# KiCad board ButterStick.kicad_pcb (continued)
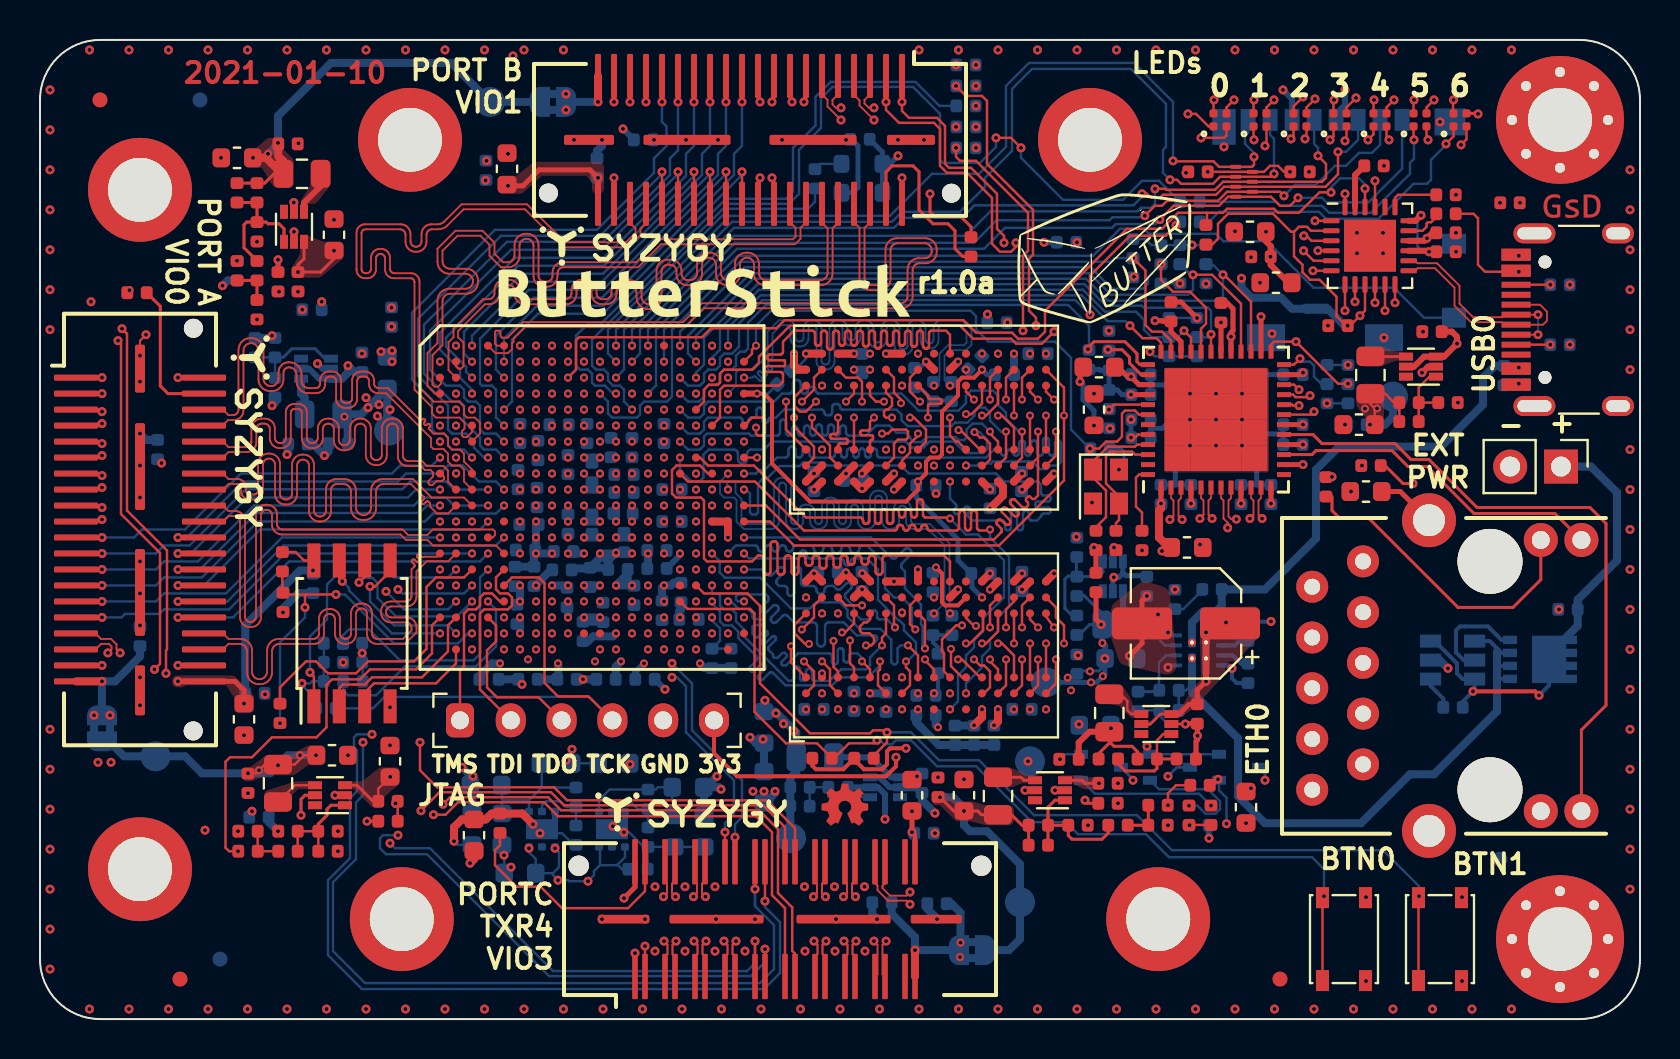
[diagram p0: board, top side]
## Routing (per net, layer and track width the routed paths; a pad name or vN(x,y) marks a point on that pad's centre or on a via; arc(x,y) is an arc through that point) (continued)
/FPGA-DDR3L/CK0_N: length 31.8
  Bottom w0.089: v2(45.5,31.7) 45.22,31.97 45.22,33.2 45.5,33.47 46.3,33.47 46.57,33.75 46.57,34.5 46.1,34.97 45.1,34.97 45,34.96 44.92,34.93 44.83,34.88 44.77,34.82 44.72,34.73 44.69,34.65 44.68,34.55 44.68,34.01 44.67,33.96 44.66,33.92 44.63,33.88 44.6,33.85 44.56,33.83 44.52,33.81 44.47,33.81 44.43,33.81 44.39,33.83 44.35,33.85 44.32,33.88 44.29,33.92 44.28,33.96 44.28,34.01 44.28,34.55 44.26,34.65 44.23,34.73 44.18,34.82 44.12,34.88 44.03,34.93 43.95,34.96 43.85,34.97 43.8,34.97 43.7,34.96 43.62,34.93 43.53,34.88 43.47,34.82 43.42,34.73 43.39,34.65 43.38,34.55 43.38,33.71 43.37,33.66 43.36,33.62 43.33,33.58 43.3,33.55 43.26,33.53 43.22,33.51 43.18,33.51 43.13,33.51 43.09,33.53 43.05,33.55 43.02,33.58 42.99,33.62 42.98,33.66 42.97,33.71 42.97,34.55 42.96,34.65 42.93,34.73 42.88,34.82 42.82,34.88 42.73,34.93 42.65,34.96 42.55,34.97 42.5,34.97 42.4,34.96 42.32,34.93 42.23,34.88 42.17,34.82 42.12,34.73 42.09,34.65 42.07,34.55 42.07,34.06 42.07,34.01 42.06,33.97 42.03,33.93 42,33.9 41.96,33.88 41.92,33.86 41.88,33.86 41.83,33.86 41.79,33.88 41.75,33.9 41.72,33.93 41.69,33.97 41.68,34.01 41.68,34.06 41.68,34.55 41.66,34.65 41.63,34.73 41.58,34.82 41.52,34.88 41.43,34.93 41.35,34.96 41.25,34.97 41.2,34.97 41.1,34.96 41.02,34.93 40.93,34.88 40.87,34.82 40.82,34.73 40.79,34.65 40.78,34.55 40.78,34.16 40.77,34.11 40.76,34.07 40.73,34.03 40.7,34 40.66,33.98 40.62,33.96 40.57,33.96 40.53,33.96 40.49,33.98 40.45,34 40.42,34.03 40.39,34.07 40.38,34.11 40.38,34.16 40.38,34.55 40.36,34.65 40.33,34.73 40.28,34.82 40.22,34.88 40.13,34.93 40.05,34.96 39.95,34.97 39.9,34.97 39.8,34.96 39.72,34.93 39.63,34.88 39.57,34.82 39.52,34.73 39.49,34.65 39.47,34.55 39.47,32.96 39.47,32.91 39.46,32.87 39.43,32.83 39.4,32.8 39.36,32.78 39.32,32.76 39.28,32.76 39.23,32.76 39.19,32.78 39.15,32.8 39.12,32.83 39.09,32.87 39.08,32.91 39.07,32.96 39.07,34.55 39.06,34.65 39.03,34.73 38.98,34.82 38.92,34.88 38.83,34.93 38.75,34.96 38.65,34.97 38.6,34.97 38.5,34.96 38.42,34.93 38.33,34.88 38.27,34.82 38.22,34.73 38.19,34.65 38.18,34.55 38.18,34.11 38.17,34.06 38.16,34.02 38.13,33.98 38.1,33.95 38.06,33.93 38.02,33.91 37.97,33.91 37.93,33.91 37.89,33.93 37.85,33.95 37.82,33.98 37.79,34.02 37.78,34.06 37.78,34.11 37.78,34.55 37.76,34.65 37.73,34.73 37.68,34.82 37.62,34.88 37.53,34.93 37.45,34.96 37.35,34.97 36.95,34.97 36.38,34.4 36.38,33.2 35.67,32.5 34.95,32.5 34.8,32.35 34.8,31.7 v2(34.4,31.3)
/FPGA-DDR3L/CK0_P: length 31.8
  Bottom w0.089: v2(35.2,32.1) 35.63,32.1 35.66,32.14 35.68,32.15 35.7,32.16 35.72,32.16 35.74,32.16 35.76,32.16 35.77,32.15 35.79,32.14 35.96,31.97 35.97,31.96 35.99,31.95 36.01,31.94 36.03,31.94 36.05,31.95 36.07,31.96 36.08,31.97 36.1,31.98 36.1,32 36.11,32.02 36.11,32.04 36.1,32.06 36.1,32.08 36.08,32.09 35.92,32.26 35.9,32.28 35.89,32.3 35.89,32.32 35.89,32.34 35.89,32.35 35.9,32.37 35.92,32.39 35.93,32.4 35.95,32.41 35.97,32.41 35.99,32.41 36.01,32.41 36.03,32.4 36.04,32.39 36.21,32.22 36.22,32.21 36.24,32.2 36.26,32.2 36.28,32.2 36.3,32.2 36.32,32.21 36.33,32.22 36.35,32.24 36.36,32.25 36.36,32.27 36.36,32.29 36.36,32.31 36.35,32.33 36.33,32.35 36.17,32.51 36.15,32.53 36.15,32.55 36.14,32.57 36.14,32.59 36.15,32.61 36.15,32.62 36.17,32.64 36.18,32.65 36.2,32.66 36.22,32.67 36.24,32.67 36.26,32.66 36.28,32.65 36.29,32.64 36.46,32.47 36.48,32.46 36.49,32.45 36.51,32.45 36.53,32.45 36.55,32.45 36.57,32.46 36.59,32.47 36.6,32.49 36.61,32.51 36.61,32.53 36.61,32.55 36.61,32.56 36.6,32.58 36.59,32.6 36.42,32.77 36.41,32.78 36.4,32.8 36.39,32.82 36.39,32.84 36.4,32.86 36.41,32.88 36.42,32.89 36.62,33.1 36.62,34.3 37.05,34.72 37.32,34.72 37.37,34.72 37.41,34.71 37.45,34.68 37.48,34.65 37.51,34.61 37.52,34.57 37.53,34.52 37.53,34.08 37.54,33.99 37.57,33.9 37.62,33.82 37.68,33.75 37.77,33.7 37.85,33.67 37.95,33.66 38,33.66 38.1,33.67 38.18,33.7 38.27,33.75 38.33,33.82 38.38,33.9 38.41,33.99 38.43,34.08 38.43,34.52 38.43,34.57 38.44,34.61 38.47,34.65 38.5,34.68 38.54,34.71 38.58,34.72 38.62,34.72 38.67,34.72 38.71,34.71 38.75,34.68 38.78,34.65 38.81,34.61 38.82,34.57 38.82,34.52 38.82,32.93 38.84,32.84 38.87,32.75 38.92,32.67 38.98,32.6 39.07,32.55 39.15,32.52 39.25,32.51 39.3,32.51 39.4,32.52 39.48,32.55 39.57,32.6 39.63,32.67 39.68,32.75 39.71,32.84 39.72,32.93 39.72,34.52 39.73,34.57 39.74,34.61 39.77,34.65 39.8,34.68 39.84,34.71 39.88,34.72 39.93,34.72 39.97,34.72 40.01,34.71 40.05,34.68 40.08,34.65 40.11,34.61 40.12,34.57 40.12,34.52 40.12,34.13 40.14,34.04 40.17,33.95 40.22,33.87 40.28,33.8 40.37,33.75 40.45,33.72 40.55,33.71 40.6,33.71 40.7,33.72 40.78,33.75 40.87,33.8 40.93,33.87 40.98,33.95 41.01,34.04 41.03,34.13 41.03,34.52 41.03,34.57 41.04,34.61 41.07,34.65 41.1,34.68 41.14,34.71 41.18,34.72 41.22,34.72 41.27,34.72 41.31,34.71 41.35,34.68 41.38,34.65 41.41,34.61 41.42,34.57 41.43,34.52 41.43,34.03 41.44,33.94 41.47,33.85 41.52,33.77 41.58,33.7 41.67,33.65 41.75,33.62 41.85,33.61 41.9,33.61 42,33.62 42.08,33.65 42.17,33.7 42.23,33.77 42.28,33.85 42.31,33.94 42.32,34.03 42.32,34.52 42.33,34.57 42.34,34.61 42.37,34.65 42.4,34.68 42.44,34.71 42.48,34.72 42.53,34.72 42.57,34.72 42.61,34.71 42.65,34.68 42.68,34.65 42.71,34.61 42.72,34.57 42.72,34.52 42.72,33.68 42.74,33.59 42.77,33.5 42.82,33.42 42.88,33.35 42.97,33.3 43.05,33.27 43.15,33.26 43.2,33.26 43.3,33.27 43.38,33.3 43.47,33.35 43.53,33.42 43.58,33.5 43.61,33.59 43.62,33.68 43.62,34.52 43.63,34.57 43.64,34.61 43.67,34.65 43.7,34.68 43.74,34.71 43.78,34.72 43.82,34.72 43.87,34.72 43.91,34.71 43.95,34.68 43.98,34.65 44.01,34.61 44.02,34.57 44.03,34.52 44.03,33.98 44.04,33.89 44.07,33.8 44.12,33.72 44.18,33.65 44.27,33.6 44.35,33.57 44.45,33.56 44.5,33.56 44.6,33.57 44.68,33.6 44.77,33.65 44.83,33.72 44.88,33.8 44.91,33.89 44.93,33.98 44.93,34.52 44.93,34.57 44.94,34.61 44.97,34.65 45,34.68 45.04,34.71 45.08,34.72 45.12,34.72 46,34.72 46.32,34.4 46.32,33.85 46.2,33.72 45.4,33.72 44.97,33.3 44.97,31.97 v2(44.7,31.7)
/FPGA-DDR3L/CK1_N: length 32
  Bottom w0.089: v2(34.4,26.5) 34.4,26.7 34.35,26.75 34.35,26.85 34.4,26.9 34.7,26.9 34.78,26.82 34.78,26.32 35.07,26.02 35.07,25.92 35.08,25.91 35.08,25.9 35.09,25.88 35.1,25.87 35.11,25.87 35.13,25.86 35.16,25.86 35.17,25.85 35.18,25.84 35.19,25.83 35.2,25.82 35.21,25.81 35.21,25.79 35.21,25.75 35.21,25.73 35.2,25.72 35.19,25.71 35.18,25.69 35.17,25.69 35.16,25.68 35.13,25.68 35.11,25.67 35.1,25.67 35.09,25.66 35.08,25.64 35.08,25.63 35.07,25.61 35.07,25 35.3,24.77 36.53,24.77 36.56,24.78 36.6,24.79 36.63,24.81 36.66,24.84 36.68,24.87 36.7,24.91 36.7,24.95 36.7,26.69 36.71,26.78 36.74,26.87 36.79,26.94 36.85,27.01 36.93,27.06 37.01,27.09 37.1,27.1 37.15,27.1 37.24,27.09 37.32,27.06 37.4,27.01 37.46,26.94 37.51,26.87 37.54,26.78 37.55,26.69 37.55,24.95 37.55,24.91 37.57,24.87 37.59,24.84 37.62,24.81 37.65,24.79 37.69,24.78 37.72,24.77 37.76,24.78 37.8,24.79 37.83,24.81 37.86,24.84 37.88,24.87 37.9,24.91 37.9,24.95 37.9,25.34 37.91,25.43 37.94,25.52 37.99,25.59 38.05,25.66 38.13,25.71 38.21,25.74 38.3,25.75 38.35,25.75 38.44,25.74 38.52,25.71 38.6,25.66 38.66,25.59 38.71,25.52 38.74,25.43 38.75,25.34 38.75,24.95 38.75,24.91 38.77,24.87 38.79,24.84 38.82,24.81 38.85,24.79 38.89,24.78 38.93,24.77 38.96,24.78 39,24.79 39.03,24.81 39.06,24.84 39.08,24.87 39.1,24.91 39.1,24.95 39.1,25.69 39.11,25.78 39.14,25.87 39.19,25.94 39.25,26.01 39.33,26.06 39.41,26.09 39.5,26.1 39.55,26.1 39.64,26.09 39.72,26.06 39.8,26.01 39.86,25.94 39.91,25.87 39.94,25.78 39.95,25.69 39.95,24.95 39.95,24.91 39.97,24.87 39.99,24.84 40.02,24.81 40.05,24.79 40.09,24.78 40.12,24.77 40.16,24.78 40.2,24.79 40.23,24.81 40.26,24.84 40.28,24.87 40.3,24.91 40.3,24.95 40.3,25.59 40.31,25.68 40.34,25.77 40.39,25.84 40.45,25.91 40.53,25.96 40.61,25.99 40.7,26 40.75,26 40.84,25.99 40.92,25.96 41,25.91 41.06,25.84 41.11,25.77 41.14,25.68 41.15,25.59 41.15,24.95 41.15,24.91 41.17,24.87 41.19,24.84 41.22,24.81 41.25,24.79 41.29,24.78 41.32,24.77 41.36,24.78 41.4,24.79 41.43,24.81 41.46,24.84 41.48,24.87 41.5,24.91 41.5,24.95 41.5,26.04 41.51,26.13 41.54,26.22 41.59,26.29 41.65,26.36 41.73,26.41 41.81,26.44 41.9,26.45 41.95,26.45 42.04,26.44 42.12,26.41 42.2,26.36 42.26,26.29 42.31,26.22 42.34,26.13 42.35,26.04 42.35,24.95 42.35,24.91 42.37,24.87 42.39,24.84 42.42,24.81 42.45,24.79 42.49,24.78 42.53,24.77 42.56,24.78 42.6,24.79 42.63,24.81 42.66,24.84 42.68,24.87 42.7,24.91 42.7,24.95 42.7,25.54 42.71,25.63 42.74,25.72 42.79,25.79 42.85,25.86 42.93,25.91 43.01,25.94 43.1,25.95 43.15,25.95 43.24,25.94 43.32,25.91 43.4,25.86 43.46,25.79 43.51,25.72 43.54,25.63 43.55,25.54 43.55,24.95 43.55,24.91 43.57,24.87 43.59,24.84 43.62,24.81 43.65,24.79 43.69,24.78 43.72,24.77 44.5,24.77 45.47,23.8 45.47,20.77 45.3,20.6 45.3,20.43 45.59,20.15
  vias: v2(45.5,20.3)
/FPGA-DDR3L/CK1_P: length 32.1
  Bottom w0.089: v2(44.7,20.3) 45.22,20.82 45.22,23.7 44.4,24.52 43.7,24.52 43.61,24.54 43.53,24.56 43.45,24.61 43.39,24.68 43.34,24.75 43.31,24.84 43.3,24.93 43.3,25.52 43.3,25.56 43.28,25.6 43.26,25.63 43.23,25.66 43.2,25.68 43.16,25.69 43.12,25.7 43.09,25.69 43.05,25.68 43.02,25.66 42.99,25.63 42.97,25.6 42.95,25.56 42.95,25.52 42.95,24.93 42.94,24.84 42.91,24.75 42.86,24.68 42.8,24.61 42.72,24.56 42.64,24.54 42.55,24.52 42.5,24.52 42.41,24.54 42.33,24.56 42.25,24.61 42.19,24.68 42.14,24.75 42.11,24.84 42.1,24.93 42.1,26.02 42.1,26.06 42.08,26.1 42.06,26.13 42.03,26.16 42,26.18 41.96,26.19 41.93,26.2 41.89,26.19 41.85,26.18 41.82,26.16 41.79,26.13 41.77,26.1 41.75,26.06 41.75,26.02 41.75,24.93 41.74,24.84 41.71,24.75 41.66,24.68 41.6,24.61 41.52,24.56 41.44,24.54 41.35,24.52 41.3,24.52 41.21,24.54 41.13,24.56 41.05,24.61 40.99,24.68 40.94,24.75 40.91,24.84 40.9,24.93 40.9,25.57 40.9,25.61 40.88,25.65 40.86,25.68 40.83,25.71 40.8,25.73 40.76,25.74 40.72,25.75 40.69,25.74 40.65,25.73 40.62,25.71 40.59,25.68 40.57,25.65 40.55,25.61 40.55,25.57 40.55,24.93 40.54,24.84 40.51,24.75 40.46,24.68 40.4,24.61 40.32,24.56 40.24,24.54 40.15,24.52 40.1,24.52 40.01,24.54 39.93,24.56 39.85,24.61 39.79,24.68 39.74,24.75 39.71,24.84 39.7,24.93 39.7,25.67 39.7,25.71 39.68,25.75 39.66,25.78 39.63,25.81 39.6,25.83 39.56,25.84 39.53,25.85 39.49,25.84 39.45,25.83 39.42,25.81 39.39,25.78 39.37,25.75 39.35,25.71 39.35,25.67 39.35,24.93 39.34,24.84 39.31,24.75 39.26,24.68 39.2,24.61 39.12,24.56 39.04,24.54 38.95,24.52 38.9,24.52 38.81,24.54 38.73,24.56 38.65,24.61 38.59,24.68 38.54,24.75 38.51,24.84 38.5,24.93 38.5,25.32 38.5,25.36 38.48,25.4 38.46,25.43 38.43,25.46 38.4,25.48 38.36,25.49 38.32,25.5 38.29,25.49 38.25,25.48 38.22,25.46 38.19,25.43 38.17,25.4 38.15,25.36 38.15,25.32 38.15,24.93 38.14,24.84 38.11,24.75 38.06,24.68 38,24.61 37.92,24.56 37.84,24.54 37.75,24.52 37.7,24.52 37.61,24.54 37.53,24.56 37.45,24.61 37.39,24.68 37.34,24.75 37.31,24.84 37.3,24.93 37.3,26.67 37.3,26.71 37.28,26.75 37.26,26.78 37.23,26.81 37.2,26.83 37.16,26.84 37.12,26.85 37.09,26.84 37.05,26.83 37.02,26.81 36.99,26.78 36.97,26.75 36.95,26.71 36.95,26.67 36.95,24.93 36.94,24.84 36.91,24.75 36.86,24.68 36.8,24.61 36.72,24.56 36.64,24.54 36.55,24.52 35.2,24.52 34.82,24.9 34.82,25.97 34.7,26.1 34.2,26.1 34,26.3 34,26.9 v2(34.4,27.3)
/FPGA-DDR3L/CKE0: length 33.7
  Top w0.12: U4.F18 34,30.1 34,31.5 34.2,31.7 36.95,31.7 37.15,31.9 37.15,32.24 37.15,32.27 37.14,32.3 37.12,32.33 37.1,32.35 37.07,32.37 37.04,32.38 37,32.38 36.36,32.38 36.33,32.39 36.3,32.4 36.27,32.42 36.25,32.44 36.23,32.47 36.22,32.5 36.22,32.53 36.22,32.56 36.23,32.59 36.25,32.62 36.27,32.64 36.3,32.66 36.33,32.67 36.36,32.67 37.2,32.67 37.21,32.68 37.22,32.68 37.23,32.69 37.24,32.69 37.25,32.7 37.25,32.71 37.25,32.72 37.25,32.91 37.25,32.93 37.25,32.94 37.24,32.95 37.23,32.95 37.22,32.96 37.21,32.96 37.2,32.96 36.51,32.96 36.48,32.97 36.45,32.98 36.42,33 36.4,33.02 36.38,33.05 36.37,33.08 36.37,33.11 36.37,33.14 36.38,33.17 36.4,33.2 36.42,33.22 36.45,33.24 36.48,33.25 36.51,33.25 37,33.25 37.04,33.26 37.07,33.27 37.1,33.29 37.12,33.31 37.14,33.34 37.15,33.37 37.15,33.4 37.15,33.9 37.7,34.45 38.6,34.45 38.63,34.45 38.67,34.44 38.69,34.42 38.72,34.39 38.74,34.37 38.75,34.33 38.75,34.3 38.75,33.85 38.75,33.82 38.76,33.78 38.78,33.76 38.81,33.73 38.83,33.71 38.87,33.7 38.9,33.7 38.93,33.7 38.97,33.71 38.99,33.73 39.02,33.76 39.04,33.78 39.05,33.82 39.05,33.85 39.05,34.3 39.05,34.33 39.06,34.37 39.08,34.39 39.11,34.42 39.13,34.44 39.17,34.45 39.2,34.45 39.23,34.45 39.27,34.44 39.29,34.42 39.32,34.39 39.34,34.37 39.35,34.33 39.35,34.3 39.35,33.65 39.35,33.62 39.36,33.58 39.38,33.56 39.41,33.53 39.43,33.51 39.47,33.5 39.5,33.5 39.53,33.5 39.57,33.51 39.59,33.53 39.62,33.56 39.64,33.58 39.65,33.62 39.65,33.65 39.65,34.3 39.65,34.33 39.66,34.37 39.68,34.39 39.71,34.42 39.73,34.44 39.77,34.45 39.8,34.45 39.83,34.45 39.87,34.44 39.89,34.42 39.92,34.39 39.94,34.37 39.95,34.33 39.95,34.3 39.95,33.85 39.95,33.82 39.96,33.78 39.98,33.76 40.01,33.73 40.03,33.71 40.07,33.7 40.1,33.7 40.13,33.7 40.17,33.71 40.19,33.73 40.22,33.76 40.24,33.78 40.25,33.82 40.25,33.85 40.25,34.3 40.25,34.33 40.26,34.37 40.28,34.39 40.31,34.42 40.33,34.44 40.37,34.45 40.4,34.45 40.43,34.45 40.47,34.44 40.49,34.42 40.52,34.39 40.54,34.37 40.55,34.33 40.55,34.3 40.55,33.85 40.55,33.82 40.56,33.78 40.58,33.76 40.61,33.73 40.63,33.71 40.67,33.7 40.7,33.7 40.73,33.7 40.77,33.71 40.79,33.73 40.82,33.76 40.84,33.78 40.85,33.82 40.85,33.85 40.85,34.3 40.85,34.33 40.86,34.37 40.88,34.39 40.91,34.42 40.93,34.44 40.97,34.45 41,34.45 41.03,34.45 41.07,34.44 41.09,34.42 41.12,34.39 41.14,34.37 41.15,34.33 41.15,34.3 41.15,33.8 41.15,33.77 41.16,33.73 41.18,33.71 41.21,33.68 41.23,33.66 41.27,33.65 41.3,33.65 41.33,33.65 41.37,33.66 41.39,33.68 41.42,33.71 41.44,33.73 41.45,33.77 41.45,33.8 41.45,34.3 41.45,34.33 41.46,34.37 41.48,34.39 41.51,34.42 41.53,34.44 41.57,34.45 41.6,34.45 41.63,34.45 41.67,34.44 41.69,34.42 41.72,34.39 41.74,34.37 41.75,34.33 41.75,34.3 41.75,33.7 41.75,33.67 41.76,33.63 41.78,33.61 41.81,33.58 41.83,33.56 41.87,33.55 41.9,33.55 41.93,33.55 41.97,33.56 41.99,33.58 42.02,33.61 42.04,33.63 42.05,33.67 42.05,33.7 42.05,34.3 42.05,34.33 42.06,34.37 42.08,34.39 42.11,34.42 42.13,34.44 42.17,34.45 42.2,34.45 42.23,34.45 42.27,34.44 42.29,34.42 42.32,34.39 42.34,34.37 42.35,34.33 42.35,34.3 42.35,33.85 42.35,33.82 42.36,33.78 42.38,33.76 42.41,33.73 42.43,33.71 42.47,33.7 42.5,33.7 42.53,33.7 42.57,33.71 42.59,33.73 42.62,33.76 42.64,33.78 42.65,33.82 42.65,33.85 42.65,34.3 42.65,34.33 42.66,34.37 42.68,34.39 42.71,34.42 42.73,34.44 42.77,34.45 42.8,34.45 42.83,34.45 42.87,34.44 42.89,34.42 42.92,34.39 42.94,34.37 42.95,34.33 42.95,34.3 42.95,33.85 42.95,33.82 42.96,33.78 42.98,33.76 43.01,33.73 43.03,33.71 43.07,33.7 43.1,33.7 43.13,33.7 43.17,33.71 43.19,33.73 43.22,33.76 43.24,33.78 43.25,33.82 43.25,33.85 43.25,34.3 43.25,34.33 43.26,34.37 43.28,34.39 43.31,34.42 43.33,34.44 43.37,34.45 43.4,34.45 43.43,34.45 43.47,34.44 43.49,34.42 43.52,34.39 43.54,34.37 43.55,34.33 43.55,34.3 43.55,33.8 43.55,33.77 43.56,33.73 43.58,33.71 43.61,33.68 43.63,33.66 43.67,33.65 43.7,33.65 43.73,33.65 43.77,33.66 43.79,33.68 43.82,33.71 43.84,33.73 43.85,33.77 43.85,33.8 43.85,34.3 43.85,34.33 43.86,34.37 43.88,34.39 43.91,34.42 43.93,34.44 43.97,34.45 44,34.45 44.03,34.45 44.07,34.44 44.09,34.42 44.12,34.39 44.14,34.37 44.15,34.33 44.15,34.3 44.15,33.7 44.15,33.67 44.16,33.63 44.18,33.61 44.21,33.58 44.23,33.56 44.27,33.55 44.3,33.55 44.33,33.55 44.37,33.56 44.39,33.58 44.42,33.61 44.44,33.63 44.45,33.67 44.45,33.7 44.45,34.3 44.45,34.33 44.46,34.37 44.48,34.39 44.51,34.42 44.53,34.44 44.57,34.45 44.6,34.45 45.3,34.45 45.5,34.25 U11.K9
/FPGA-DDR3L/CKE1: length 33.6
  Top w0.12: U4.J18 33.4,27.3 33,27.7 31.82,27.7 31.6,27.47 31.6,26.3 31.8,26.1 33.05,26.1 33.2,25.95 33.2,23.05 33.35,22.9 35.6,22.9 35.9,23.2 36,23.2 36.04,23.2 36.08,23.18 36.11,23.16 36.14,23.13 36.16,23.1 36.17,23.06 36.18,23.02 36.18,22.41 36.18,22.37 36.19,22.33 36.21,22.3 36.24,22.27 36.27,22.25 36.31,22.24 36.35,22.23 36.39,22.24 36.43,22.25 36.46,22.27 36.49,22.3 36.51,22.33 36.52,22.37 36.53,22.41 36.53,23.74 36.53,23.78 36.54,23.82 36.56,23.85 36.59,23.88 36.62,23.9 36.66,23.91 36.7,23.92 36.74,23.91 36.78,23.9 36.81,23.88 36.84,23.85 36.86,23.82 36.87,23.78 36.88,23.74 36.88,22.41 36.88,22.37 36.89,22.33 36.91,22.3 36.94,22.27 36.97,22.25 37.01,22.24 37.05,22.23 37.09,22.24 37.13,22.25 37.16,22.27 37.19,22.3 37.21,22.33 37.22,22.37 37.22,22.41 37.22,23.02 37.23,23.06 37.24,23.1 37.26,23.13 37.29,23.16 37.32,23.18 37.36,23.2 37.4,23.2 37.44,23.2 37.48,23.18 37.51,23.16 37.54,23.13 37.56,23.1 37.57,23.06 37.57,23.02 37.57,22.41 37.58,22.37 37.59,22.33 37.61,22.3 37.64,22.27 37.67,22.25 37.71,22.24 37.75,22.23 37.79,22.24 37.83,22.25 37.86,22.27 37.89,22.3 37.91,22.33 37.92,22.37 37.93,22.41 37.93,23.02 37.93,23.06 37.94,23.1 37.96,23.13 37.99,23.16 38.02,23.18 38.06,23.2 38.1,23.2 38.14,23.2 38.18,23.18 38.21,23.16 38.24,23.13 38.26,23.1 38.27,23.06 38.28,23.02 38.28,22.86 38.28,22.82 38.29,22.78 38.31,22.75 38.34,22.72 38.37,22.7 38.41,22.69 38.45,22.68 38.49,22.69 38.53,22.7 38.56,22.72 38.59,22.75 38.61,22.78 38.62,22.82 38.62,22.86 38.62,23.02 38.63,23.06 38.64,23.1 38.66,23.13 38.69,23.16 38.72,23.18 38.76,23.2 38.8,23.2 38.84,23.2 38.88,23.18 38.91,23.16 38.94,23.13 38.96,23.1 38.97,23.06 38.97,23.02 38.97,22.71 38.98,22.67 38.99,22.63 39.01,22.6 39.04,22.57 39.07,22.55 39.11,22.54 39.15,22.53 39.19,22.54 39.23,22.55 39.26,22.57 39.29,22.6 39.31,22.63 39.32,22.67 39.32,22.71 39.32,23.02 39.33,23.06 39.34,23.1 39.36,23.13 39.39,23.16 39.42,23.18 39.46,23.2 39.5,23.2 39.54,23.2 39.58,23.18 39.61,23.16 39.64,23.13 39.66,23.1 39.67,23.06 39.68,23.02 39.68,22.76 39.68,22.72 39.69,22.68 39.71,22.65 39.74,22.62 39.77,22.6 39.81,22.59 39.85,22.58 39.89,22.59 39.93,22.6 39.96,22.62 39.99,22.65 40.01,22.68 40.02,22.72 40.03,22.76 40.03,23.02 40.03,23.06 40.04,23.1 40.06,23.13 40.09,23.16 40.12,23.18 40.16,23.2 40.2,23.2 40.24,23.2 40.28,23.18 40.31,23.16 40.34,23.13 40.36,23.1 40.37,23.06 40.38,23.02 40.38,22.91 40.38,22.87 40.39,22.83 40.41,22.8 40.44,22.77 40.47,22.75 40.51,22.74 40.55,22.73 40.59,22.74 40.63,22.75 40.66,22.77 40.69,22.8 40.71,22.83 40.72,22.87 40.72,22.91 40.72,23.02 40.73,23.06 40.74,23.1 40.76,23.13 40.79,23.16 40.82,23.18 40.86,23.2 40.9,23.2 40.94,23.2 40.98,23.18 41.01,23.16 41.04,23.13 41.06,23.1 41.07,23.06 41.07,23.02 41.07,22.91 41.08,22.87 41.09,22.83 41.11,22.8 41.14,22.77 41.17,22.75 41.21,22.74 41.25,22.73 41.29,22.74 41.33,22.75 41.36,22.77 41.39,22.8 41.41,22.83 41.42,22.87 41.43,22.91 41.43,23.02 41.43,23.06 41.44,23.1 41.46,23.13 41.49,23.16 41.52,23.18 41.56,23.2 41.6,23.2 41.64,23.2 41.68,23.18 41.71,23.16 41.74,23.13 41.76,23.1 41.77,23.06 41.78,23.02 41.78,22.41 41.78,22.37 41.79,22.33 41.81,22.3 41.84,22.27 41.87,22.25 41.91,22.24 41.95,22.23 41.99,22.24 42.03,22.25 42.06,22.27 42.09,22.3 42.11,22.33 42.12,22.37 42.12,22.41 42.12,23.02 42.13,23.06 42.14,23.1 42.16,23.13 42.19,23.16 42.22,23.18 42.26,23.2 42.3,23.2 45.2,23.2 45.5,22.9 U12.K9
/FPGA-DDR3L/CS0: length 31.8
  Bottom w0.12: v2(35.2,27.3) 35.8,27.3 35.97,27.47 36.22,27.47 36.85,28.1 37.25,28.1 37.29,28.1 37.33,28.12 37.36,28.14 37.39,28.17 37.41,28.2 37.42,28.24 37.43,28.27 37.43,28.47 37.43,28.51 37.44,28.55 37.46,28.58 37.49,28.61 37.52,28.63 37.56,28.65 37.6,28.65 37.64,28.65 37.68,28.63 37.71,28.61 37.74,28.58 37.76,28.55 37.77,28.51 37.78,28.47 37.78,28.27 37.78,28.24 37.79,28.2 37.81,28.17 37.84,28.14 37.87,28.12 37.91,28.1 37.95,28.1 37.99,28.1 38.03,28.12 38.06,28.14 38.09,28.17 38.11,28.2 38.12,28.24 38.12,28.27 38.12,28.47 38.13,28.51 38.14,28.55 38.16,28.58 38.19,28.61 38.22,28.63 38.26,28.65 38.3,28.65 38.34,28.65 38.38,28.63 38.41,28.61 38.44,28.58 38.46,28.55 38.47,28.51 38.47,28.47 38.47,28.27 38.48,28.24 38.49,28.2 38.51,28.17 38.54,28.14 38.57,28.12 38.61,28.1 38.65,28.1 39.6,28.1 39.63,28.1 39.67,28.11 39.69,28.13 39.72,28.16 39.74,28.18 39.75,28.22 39.75,28.25 39.75,28.4 39.75,28.44 39.76,28.47 39.78,28.5 39.81,28.52 39.83,28.54 39.87,28.55 39.9,28.55 39.93,28.55 39.97,28.54 39.99,28.52 40.02,28.5 40.04,28.47 40.05,28.44 40.05,28.4 40.05,28.25 40.05,28.22 40.06,28.18 40.08,28.16 40.11,28.13 40.13,28.11 40.17,28.1 40.2,28.1 40.23,28.1 40.27,28.11 40.29,28.13 40.32,28.16 40.34,28.18 40.35,28.22 40.35,28.25 40.35,28.4 40.35,28.44 40.36,28.47 40.38,28.5 40.41,28.52 40.43,28.54 40.47,28.55 40.5,28.55 40.53,28.55 40.57,28.54 40.59,28.52 40.62,28.5 40.64,28.47 40.65,28.44 40.65,28.4 40.65,28.25 40.65,28.22 40.66,28.18 40.68,28.16 40.71,28.13 40.73,28.11 40.77,28.1 40.8,28.1 40.83,28.1 40.87,28.11 40.89,28.13 40.92,28.16 40.94,28.18 40.95,28.22 40.95,28.25 40.95,28.4 40.95,28.44 40.96,28.47 40.98,28.5 41.01,28.52 41.03,28.54 41.07,28.55 41.1,28.55 41.13,28.55 41.17,28.54 41.19,28.52 41.22,28.5 41.24,28.47 41.25,28.44 41.25,28.4 41.25,28.25 41.25,28.22 41.26,28.18 41.28,28.16 41.31,28.13 41.33,28.11 41.37,28.1 41.4,28.1 41.43,28.1 41.47,28.11 41.49,28.13 41.52,28.16 41.54,28.18 41.55,28.22 41.55,28.25 41.55,28.4 41.55,28.44 41.56,28.47 41.58,28.5 41.61,28.52 41.63,28.54 41.67,28.55 41.7,28.55 41.73,28.55 41.77,28.54 41.79,28.52 41.82,28.5 41.84,28.47 41.85,28.44 41.85,28.4 41.85,28.25 41.85,28.22 41.86,28.18 41.88,28.16 41.91,28.13 41.93,28.11 41.97,28.1 42,28.1 47.3,28.1 47.7,28.5 47.9,28.5 47.93,28.5 47.97,28.49 47.99,28.47 48.02,28.44 48.04,28.42 48.05,28.38 48.05,28.32 48.06,28.28 48.08,28.26 48.11,28.23 48.13,28.21 48.17,28.2 48.2,28.2 48.23,28.2 48.27,28.21 48.29,28.23 48.32,28.26 48.34,28.28 48.35,28.32 48.35,28.38 48.36,28.42 48.38,28.44 48.41,28.47 48.43,28.49 48.47,28.5 48.5,28.5 48.53,28.5 48.57,28.49 48.59,28.47 48.62,28.44 48.64,28.42 48.65,28.38 48.65,28.32 48.66,28.28 48.68,28.26 48.71,28.23 48.73,28.21 48.77,28.2 48.8,28.2 48.83,28.2 48.87,28.21 48.89,28.23 48.92,28.26 48.94,28.28 48.95,28.32 48.95,28.35 48.95,28.8 48.95,28.83 48.96,28.87 48.98,28.89 49.01,28.92 49.03,28.94 49.07,28.95 49.1,28.95 49.13,28.95 49.17,28.94 49.19,28.92 49.22,28.89 49.24,28.87 49.25,28.83 49.25,28.8 49.25,28.35 49.25,28.32 49.26,28.28 49.28,28.26 49.31,28.23 49.33,28.21 49.37,28.2 49.4,28.2 49.43,28.2 49.47,28.21 49.49,28.23 49.52,28.26 49.54,28.28 49.55,28.32 49.55,28.35 49.55,28.8 49.55,28.83 49.56,28.87 49.58,28.89 49.61,28.92 49.63,28.94 49.67,28.95 49.7,28.95 49.73,28.95 49.77,28.94 49.79,28.92 49.82,28.89 49.84,28.87 49.85,28.83 49.85,28.8 49.85,28.35 49.85,28.32 49.86,28.28 49.88,28.26 49.91,28.23 49.93,28.21 49.97,28.2 50,28.2 50.03,28.2 50.07,28.21 50.09,28.23 50.12,28.26 50.14,28.28 50.15,28.32 50.15,28.35 50.15,28.95 50.15,28.98 50.16,29.02 50.18,29.04 50.21,29.07 50.23,29.09 50.27,29.1 50.3,29.1 50.33,29.1 50.37,29.09 50.39,29.07 50.42,29.04 50.44,29.02 50.45,28.98 50.45,28.95 50.45,28.35 50.45,28.32 50.46,28.28 50.48,28.26 50.51,28.23 50.53,28.21 50.57,28.2 50.6,28.2 50.63,28.2 50.67,28.21 50.69,28.23 50.72,28.26 50.74,28.28 50.75,28.32 50.75,28.35 50.75,28.8 50.75,28.83 50.76,28.87 50.78,28.89 50.81,28.92 50.83,28.94 50.87,28.95 50.9,28.95 50.93,28.95 50.97,28.94 50.99,28.92 51.02,28.89 51.04,28.87 51.05,28.83 51.05,28.8 51.05,27.87 50.88,27.7 50.5,27.7 50.32,27.52 50,27.52 49.62,27.9 47.65,27.9 47.55,27.8 46.95,27.8 46.85,27.7 v2(46.3,27.7)
/FPGA-DDR3L/CS1: length 30.6
  Top w0.12: U4.J16 32.4,26.9 35.75,26.9 38.2,24.45 42.72,24.45 42.75,24.45 42.78,24.46 42.81,24.48 42.83,24.5 42.85,24.53 42.86,24.56 42.86,24.62 42.87,24.65 42.89,24.68 42.91,24.7 42.94,24.71 42.97,24.72 43,24.73 43.02,24.73 43.05,24.72 43.08,24.71 43.11,24.7 43.13,24.68 43.15,24.65 43.16,24.62 43.16,24.56 43.17,24.53 43.19,24.5 43.21,24.48 43.24,24.46 43.27,24.45 43.3,24.45 43.32,24.45 43.35,24.45 43.38,24.46 43.41,24.48 43.43,24.5 43.45,24.53 43.46,24.56 43.46,24.62 43.47,24.65 43.49,24.68 43.51,24.7 43.54,24.71 43.57,24.72 43.6,24.73 43.62,24.73 43.65,24.72 43.68,24.71 43.71,24.7 43.73,24.68 43.75,24.65 43.76,24.62 43.76,24.56 43.77,24.53 43.79,24.5 43.81,24.48 43.84,24.46 43.87,24.45 43.9,24.45 43.92,24.45 43.95,24.45 43.98,24.46 44.01,24.48 44.03,24.5 44.05,24.53 44.06,24.56 44.06,24.62 44.07,24.65 44.09,24.68 44.11,24.7 44.14,24.71 44.17,24.72 44.2,24.73 44.22,24.73 44.25,24.72 44.28,24.71 44.31,24.7 44.33,24.68 44.35,24.65 44.36,24.62 44.36,24.56 44.37,24.53 44.39,24.5 44.41,24.48 44.44,24.46 44.47,24.45 44.5,24.45 45.8,24.45 45.83,24.45 45.87,24.46 45.89,24.48 45.92,24.51 45.94,24.53 45.95,24.57 45.95,24.6 45.95,25.3 45.95,25.33 45.96,25.37 45.98,25.39 46.01,25.42 46.03,25.44 46.07,25.45 46.1,25.45 46.13,25.45 46.17,25.44 46.19,25.42 46.22,25.39 46.24,25.37 46.25,25.33 46.25,25.3 46.25,24.6 46.25,24.57 46.26,24.53 46.28,24.51 46.31,24.48 46.33,24.46 46.37,24.45 46.4,24.45 46.43,24.45 46.47,24.46 46.49,24.48 46.52,24.51 46.54,24.53 46.55,24.57 46.55,24.6 46.55,25.3 46.55,25.33 46.56,25.37 46.58,25.39 46.61,25.42 46.63,25.44 46.67,25.45 46.7,25.45 46.73,25.45 46.77,25.44 46.79,25.42 46.82,25.39 46.84,25.37 46.85,25.33 46.85,25.3 46.85,24.6 46.85,24.57 46.86,24.53 46.88,24.51 46.91,24.48 46.93,24.46 46.97,24.45 47,24.45 47.45,24.45 v2(47.5,24.5)
  Bottom w0.12: v2(47.5,24.5) 47.5,24.1 48.45,23.15 48.45,20.65 47.9,20.1 47.9,19.4 47.5,19 47.5,18.55 47.1,18.15 47.1,17.6 46.3,16.8 v2(46.3,16.3)